# KiCad board A64-OlinuXino_Rev_G.kicad_pcb (continued)
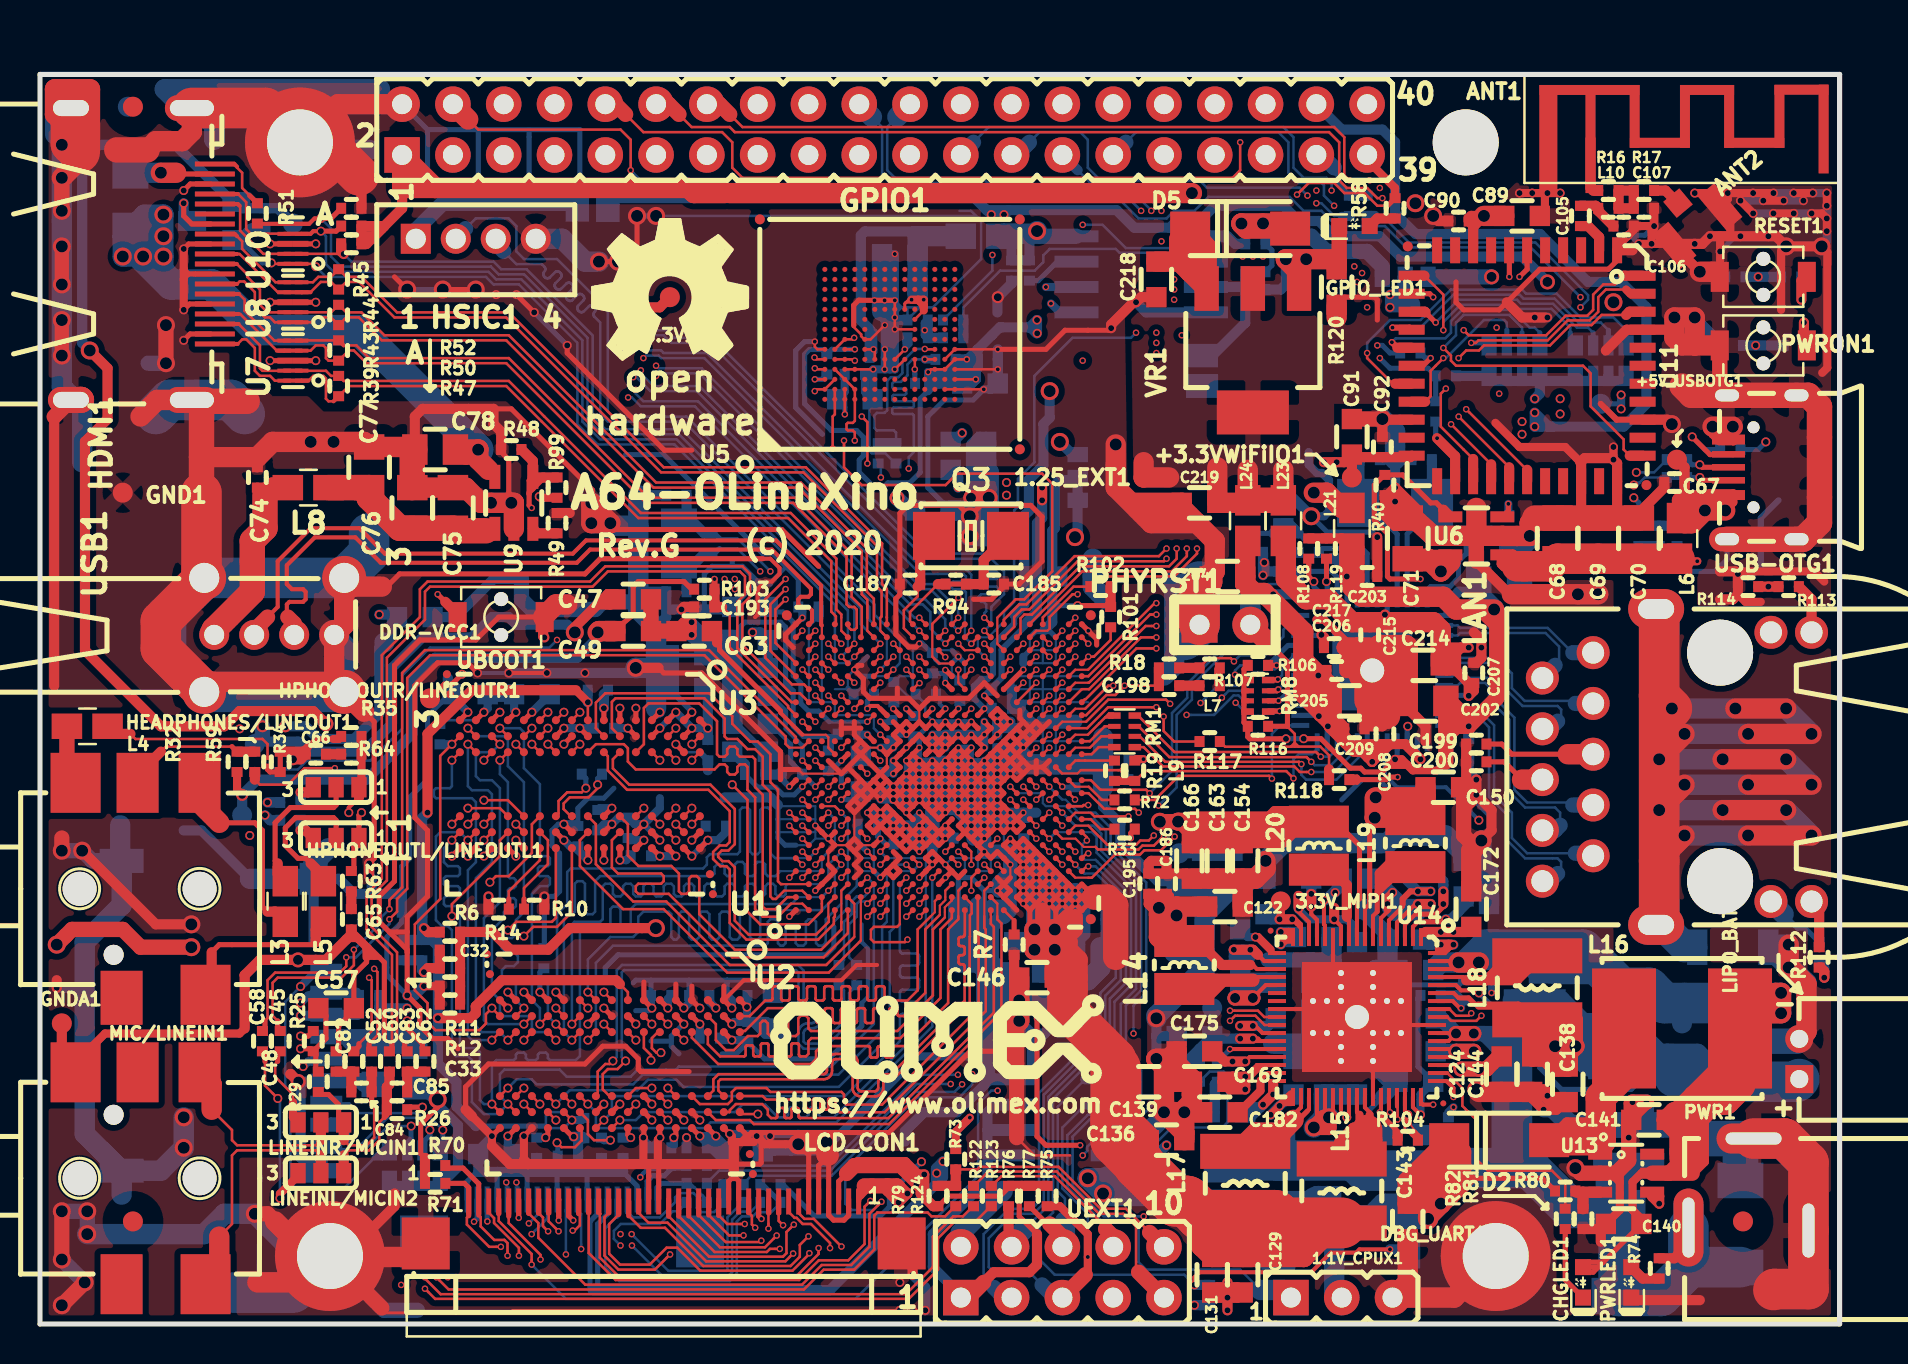
[diagram p0: board, top side]
## Routing (per net, layer and track width the routed paths; a pad name or vN(x,y) marks a point on that pad's centre or on a via; arc(x,y) is an arc through that point) (continued)
  In3.Cu w0.127: U3.B9 31.4,23.8 ; U3.B9 U3.B1 ; U3.B9 v3(32.6,23.4) ; 31.4,23.8 31.4,22.8 ; 31.4,23.8 31.4,24.6 ; 33.5,24.6 33.5,24.3 v3(33.4,24.2) ; 33.5,24.6 33.5,25.4 31.4,25.4 ; 33.5,24.6 31.4,24.6 ; U3.B1 v3(32.6,30.6) 33,30.2 33,29.4 ; U3.B1 31.4,30.2 ; 31.4,30.2 v3(31,30.6) ; 31.4,30.2 31.4,24.6 ; 33,29.4 30.6,29.4 ; 33,29.4 33,28.6 30.5,28.6 ; 25,28.6 25.8,28.6 v3(26.2,29) ; 25,28.6 24.2,28.6 ; 25,28.6 25,30.2 ; U3.J2 29,29.4 v3(29.4,29.8) ; U3.J2 25.8,29.4 ; U3.J2 26.6,30.9 ; 25,30.2 27.6,30.2 v3(28.2,30.8) ; 25,30.2 23.4,30.2 ; 21,29.4 20.2,29.4 ; 21,29.4 25.8,29.4 ; 21,29.4 21,28.5 ; U3.P1 20.3,30.2 ; U3.P1 23.4,30.2 ; U3.P1 22.6,27.6 ; 23.4,28.6 20,28.6 ; 23.4,28.6 24.2,28.6 ; 23.4,28.6 23.4,30.2 ; 24.2,28.6 24.2,31 ; 25.8,29.4 25.8,30.9
  In3.Cu w0.254: 57.1,10.59 59.89,10.59 60.53,9.96 61.92,9.96 63.45,11.48 65.35,11.48 65.99,10.85 65.99,9.7 ; 50.8,23.95 51.12,24.28
  In3.Cu w0.305: 35.89,8.94 35.53,8.58 23.42,8.58 v3(22.6,9.4)
  In3.Cu w0.508: v3(43.64,2.46) 45.03,3.86 UEXT1.2 ; v2(48.97,15.16) 45.8,15.16 39.74,9.1 v2(39.34,9.1) ; v3(61.16,37.45) 58.69,34.98 PHYRST1.1
  In3.Cu w0.711: 40.4,27.53 36.18,27.53 ; 36.82,29.47 40.07,29.47 40.4,29.8 ; v6(42.68,26.88) 41.05,26.88
  In3.Cu w0.762: 41.05,26.88 40.4,27.53 ; v2(39.34,9.1) 39.23,8.99 v2(37.92,8.99) 35.91,8.99 35.86,8.94 ; v2(10.74,5.51) 11.51,5.51 11.76,5.26
  In3.Cu w1.016: 11.76,5.26 13.67,3.35 14.55,3.35 14.55,4.62 13.41,5.77 ; USB1.4 16.46,34.47
  In3.Cu w1.524: 87.04,9.28 88.75,7.58 88.75,3.33 87.88,2.46
  In3.Cu w2.032: 2.05,56.45 2.05,60.52 1.75,60.82 7.85,60.82 ; 10.5,45.4 9.68,46.22 1.75,46.22 ; 81.35,8.67 84.44,8.67 85.04,9.28 ; 5.28,31.04 5.86,31.62 USB1.0 USB1.0 17.42,31.62 17.73,31.93 ; 6.81,38.15 7.64,37.32 USB1.0 USB1.0 15.63,37.32 16.71,38.41 ; 13.16,58.98 15.19,61.01 GPIO1.2 ; 13.16,58.98 13.03,58.85 9.56,58.85 HDMI1.0 ; 13.16,58.98 15.7,56.44 ; 13.16,58.98 13.16,57.71 11.12,55.68 ; 67.77,15.35 67.77,17.7 ; 67.77,15.35 67.77,12.62 ; 67.77,15.35 U14.69 65.86,12.74 65.86,12.74 ; PHYRST1.1 57.99,33.33
  In4.Cu w0.107: 50.15,24.6 49.18,24.6 49.18,25.25 ; 50.15,24.6 53.4,24.6 ; 50.15,24.6 50.15,23.95 50.8,23.95 ; 49.18,25.25 49.5,25.25 ; 49.18,25.25 v4(49.18,25.58) ; 49.5,25.25 53.07,25.25 ; 49.5,25.25 49.5,25.9 ; 49.5,26.55 50.15,26.55 ; 49.5,26.55 49.5,25.9 ; 49.5,26.55 48.85,26.55 ; 50.15,26.55 50.8,26.55 ; 50.15,26.55 50.15,25.9 ; 49.5,25.9 50.15,25.9 ; 48.85,26.55 48.85,27.2 v4(48.53,27.53) ; 48.85,26.55 48.2,26.55 ; 48.85,26.55 48.85,25.9 ; 50.8,23.95 50.8,23.3 51.45,23.3 ; 50.8,23.95 50.8,26.55 ; 50.8,23.95 52.11,23.95 52.2,23.86 53.31,23.86 53.4,23.95 ; 51.45,23.3 52.19,23.3 52.27,23.22 52.99,23.22 53.07,23.3 ; 51.45,23.3 51.45,26.06 51.44,26.07 51.44,26.54 51.45,26.55 ; 51.45,23.3 51.45,22.65 52.1,22.65 ; 52.1,22.65 52.1,23.96 52.03,24.03 52.03,24.36 52.1,24.42 52.1,26.55 52.1,26.55 ; 52.1,22.65 52.18,22.57 52.67,22.57 52.75,22.65 ; 50.8,26.55 51.45,26.55 ; 51.45,26.55 51.46,26.56 52.09,26.56 52.1,26.55 ; 52.1,26.55 52.43,26.55 ; 50.15,25.9 52.08,25.9
  In4.Cu w0.254: v4(47.22,24.28) v6(47.22,24.92) ; v4(47.22,24.28) 47.55,24.6 ; v4(47.22,24.28) v4(47.22,23.62) ; v6(45.28,26.22) v4(45.28,25.58) v4(45.93,25.58)
  In4.Cu w0.406: v4(43.32,25.58) v6(43.32,26.22)
  In4.Cu w0.508: v4(47.22,24.28) v6(46.57,24.92)
  Bottom w0.107: 40.4,31.79 40.4,32.4 ; C109.2 42.41,32.4 41.7,32.4 ; C109.2 42.71,32.11 43,32.4 43.65,32.4 43.65,33.7 ; C109.2 42.7,32.1 43.51,31.29 43.59,31.29 C79.1 ; 46.25,23.3 U1.R5 ; 46.25,23.3 45.6,23.3 v4(45.28,22.97) ; 46.25,23.3 46.25,22.33 ; U1.R5 v4(47.22,23.62) ; U1.R5 46.9,22.65 ; 47.55,23.3 47.55,22.65 46.9,22.65 ; 45.6,33.7 44.77,33.7 C73.1 ; 38.78,24.28 38.45,23.95 37.8,23.95 ; 38.78,24.28 38.78,24.6 ; 38.78,24.28 v4(39.43,24.28) ; 38.78,24.6 v4(38.78,24.92) 38.78,25.25 ; 38.78,24.6 38.45,24.6 36.91,24.6 ; 36.91,24.6 36.82,24.6 36.91,24.6 ; 38.78,25.25 38.78,25.9 38.45,25.9 36.91,25.9 ; 38.78,25.25 36.91,25.25 ; 36.91,25.25 36.82,25.25 36.91,25.25 ; 52.1,31.75 48.66,31.75 C110.1 ; 49.5,32.4 50.15,32.4 ; 49.5,32.4 49.5,31.1 52.43,31.1 ; 49.5,32.4 48.85,32.4 ; 50.15,32.4 50.8,32.4 ; 50.15,32.4 50.15,28.28 49.86,27.99 ; 50.8,32.4 52.43,32.4 ; 50.8,32.4 50.8,27.99 ; 50.8,27.99 50.8,27.85 50.8,27.99 ; 52.43,29.15 49.63,29.15 49.5,29.28 ; 48.53,23.62 48.2,23.62 U1.U7 v4(48.53,24.92) ; 41.05,23.3 41.57,23.3 41.7,23.17 41.7,22.65 ; 39.75,31.75 40.4,31.75 40.42,31.77 ; 41.7,22.65 U1.G6 v4(42.03,24.28) ; 41.7,22.65 41.05,22.65 ; 46.9,22.65 46.57,22.33 ; 46.25,33.05 46.25,32.45 45.99,32.18 45.6,32.57 45.6,33.05 45.58,33.03 44.97,33.03 44.95,33.05
  Bottom w0.127: v3(86.44,54.41) v3(85.04,54.41) ; 41.1,32.4 41.1,31.85 40.75,31.5 C189.1 ; 33,28.6 U3.B3 v3(31.8,29) ; 39.7,19.86 39.7,20.12 40.33,20.75 40.33,21.39 40.84,21.89 40.84,22.44 41.05,22.65 ; 42.75,50.34 42.75,50.5 43.1,50.85 ; C38.1 41.48,46.09 41.48,43.67 41.6,43.55 42.28,43.55 42.79,43.04 C94.2 ; 45.99,55.68 46.56,55.68 46.81,55.42 ; 43.38,50.85 43.13,50.85 ; 43.38,50.85 43.38,50.22 43.38,50.24 43.99,50.85 ; 43.38,50.85 43.99,50.85 ; 43.13,50.85 43.1,50.85 ; 43.13,50.85 42.75,50.85 42.75,50.85 ; 67.89,16.94 70.43,16.94 ; 44.65,30.15 44.27,30.53 44.27,31.02 C79.1 43.79,31.52 ; 43.65,33.7 43.65,33.7 v4(43.97,34.03) ; 43.99,50.85 44.65,50.85 47.07,53.26 47.07,55.17 46.81,55.42 ; 46.81,55.42 v2(30.81,55.42) ; 43.1,50.85 v4(42.75,51.2) ; 85.67,56.19 v3(85.67,56.57) ; 40.4,32.4 v4(40.72,32.72) ; 43.76,31.48 43.65,31.6 43.65,32.4
  Bottom w0.203: v3(23.44,32.56) v3(21.89,32.56) ; 44.95,33.05 44.78,33.22 44.78,33.4 C73.1 ; 36.53,37.01 36.53,37.08 37.29,37.85 37.29,37.9 ; 41.1,16.05 41.4,16.36 41.4,18.8 41.1,19.1 41.1,19.99
  Bottom w0.254: 66.5,10.34 66.5,10.72 67.13,11.35 ; 66.5,10.34 C152.2 ; 66.5,10.34 66.12,9.96 ; v4(46.57,30.12) v4(45.93,30.12) v4(45.28,30.12) v4(44.62,30.12) 44.65,30.15 43.89,29.39 C197.2 43.97,29.12 v4(43.97,28.83) v4(43.97,28.17) v6(43.97,27.53) ; v4(46.57,28.17) v4(46.57,28.83) ; v4(46.57,28.17) v4(47.22,28.17) v6(47.22,27.53) ; v4(46.57,28.17) v4(45.93,28.17) ; v4(46.57,28.17) v6(46.57,27.53) ; v6(47.88,26.88) v6(47.22,26.88) ; v6(47.88,26.88) v6(47.88,26.22) ; v6(47.88,26.88) v6(47.88,27.53) ; v6(47.22,26.88) v6(47.22,27.53) ; v6(47.22,26.88) v6(46.57,26.88) ; v6(47.22,26.88) v6(47.22,26.22) ; v4(43.32,27.53) v6(43.97,27.53) ; v4(43.32,27.53) v4(43.32,28.17) ; v4(43.32,27.53) v6(43.32,26.88) ; v6(43.97,27.53) v6(44.62,27.53) ; v6(43.97,27.53) v6(43.97,26.88) ; v6(44.62,27.53) v6(45.28,27.53) ; v6(44.62,27.53) v6(44.62,26.88) ; v6(44.62,27.53) v4(44.62,28.17) ; v6(45.28,27.53) v6(45.93,27.53) ; v6(45.28,27.53) v4(45.28,28.17) ; v6(45.28,27.53) v6(45.28,26.88) ; v6(45.93,27.53) v6(46.57,27.53) ; v6(45.93,27.53) v6(45.93,26.88) ; v6(45.93,27.53) v4(45.93,28.17) ; v6(46.57,27.53) v6(47.22,27.53) ; v6(46.57,27.53) v6(46.57,26.88) ; v6(47.22,27.53) v6(47.88,27.53) ; v6(47.88,27.53) v4(47.88,28.17) 48.53,28.17 v4(48.53,27.53) v6(47.88,27.53) ; v6(43.32,26.88) v6(42.68,26.88) 42.48,26.88 C155.1 42.03,26.42 v4(42.03,26.22) ; v6(43.32,26.88) v6(43.97,26.88) ; v6(43.32,26.88) v6(43.32,26.22) ; v6(43.97,26.88) v6(44.62,26.88) ; v6(43.97,26.88) v6(43.97,26.22) ; v6(44.62,26.88) v6(45.28,26.88) ; v6(44.62,26.88) v6(44.62,26.22) ; v6(45.28,26.88) v6(45.93,26.88) ; v6(45.28,26.88) v6(45.28,26.22) ; v6(45.93,26.88) v6(46.57,26.88) ; v6(45.93,26.88) v6(45.93,26.22) ; v6(46.57,26.88) v6(46.57,26.22) ; v6(47.22,26.22) v6(47.88,26.22) ; v6(47.22,26.22) v6(46.57,26.22) ; v6(47.22,26.22) v6(47.22,25.58) v6(46.57,25.58) ; v6(47.88,26.22) v6(47.88,25.58) ; v6(46.57,26.22) v6(45.93,26.22) ; v6(46.57,26.22) v6(46.57,25.58) ; v6(45.93,26.22) v6(45.28,26.22) ; v6(45.93,26.22) v4(45.93,25.58) ; v6(45.28,26.22) v6(44.62,26.22) ; v6(45.28,26.22) v4(45.28,25.58) v4(45.93,25.58) ; v6(44.62,26.22) v6(43.97,26.22) ; v6(43.97,26.22) v6(43.32,26.22) ; v6(43.32,26.22) v4(43.32,25.58) ; v6(47.88,25.58) v4(48.53,25.58) v4(48.53,24.92) 48.18,24.92 ; v6(47.88,25.58) 47.88,25.23 47.9,25.21 ; v6(46.57,25.58) v6(46.57,24.92) v6(47.22,24.92) 47.62,24.92 47.9,25.21 ; v6(46.57,25.58) v4(45.93,25.58) ; 48.18,24.92 v6(47.88,24.92) ; 48.18,24.92 47.9,25.21 ; 49.18,25.58 v4(49.18,25.58) 49.2,25.55 C132.1 ; 45.93,22.33 46.57,22.33 47.22,21.67 ; 45.93,22.33 v4(45.28,22.97) ; 45.93,22.33 45.93,21.03 47.22,21.03 47.22,21.67 ; 47.22,21.67 47.96,21.67 v4(47.88,21.67) ; v3(84.02,53.65) 84.78,54.41 v3(85.04,54.41) ; U15.49 65.87,31.94 U15.29 ; 70.56,39.29 71.07,39.8 72.59,39.8 R115.2 ; 45.6,33.7 v4(45.93,33.38) ; v4(45.93,33.38) 46.25,33.05 ; v4(45.93,33.38) 45.6,33.05 ; 41.7,32.4 41.05,32.4 v4(40.72,32.72) 41.38,33.38 ; R96.2 37.92,37.26 36.65,38.53 36.14,38.53 31.19,43.48 29.29,43.48 ; 36.91,25.9 36.91,25.96 36.91,24.31 37.26,23.95 37.8,23.95 ; 34.62,37.9 35.13,37.9 35.89,37.13 ; 34.62,37.9 34.62,38.15 ; 34.62,37.9 33.6,37.9 33.22,37.52 33.22,35.74 ; v2(20.14,51.74) v2(18.36,51.74) ; v2(72.09,24.18) 72.47,24.56 72.47,25.45 71.83,26.09 v3(71.83,26.47) ; 48.85,32.4 48.61,32.16 C110.1 ; 49.18,31.1 49.5,31.1 ; 49.18,31.1 48.61,31.1 ; 49.18,31.1 49.18,30.53 ; C29.2 42.3,24 v4(42.03,24.28) ; 30.56,17.2 32.46,17.2 ; 30.56,17.2 29.79,17.2 29.67,17.07 ; 30.56,17.2 C4.2 ; 32.46,17.2 34.37,17.2 ; 32.46,17.2 C3.2 ; 34.11,13.51 34.82,13.51 C1.2 36.23,13.26 39.45,13.26 41.1,14.91 41.1,16.05 ; 31.57,14.15 31.57,14.4 32.21,15.04 ; 31.57,14.15 31.57,13.89 31.95,13.51 ; 31.57,14.15 30.56,14.15 ; 34.37,17.2 34.37,17.07 34.37,17.2 ; 34.37,17.2 36.02,17.2 C27.2 ; 34.37,17.2 C2.2 ; 29.79,15.67 30.43,15.67 30.56,15.8 ; 40.4,31.79 C189.1 ; 19.38,30.4 19.38,27.23 18.49,26.34 18.49,23.29 18.09,22.89 C23.2 ; 19.38,30.4 20.48,31.5 C26.2 ; 19.38,30.4 19.38,30.4 ; 81.48,38.02 81.86,37.64 83.77,37.64 84.37,38.25 USB-OTG1.0 ; 28.7,26.8 28.2,26.3 27.4,26.3 26.9,25.8 C31.2 ; v1(46.56,41.33) v2(47.45,41.33) ; 65.1,26.21 66.12,27.23 66.94,27.23 68.15,26.02 C179.1 ; 21.92,59.74 24.46,59.74 ; 21.92,59.74 19.38,59.74 ; 21.92,59.74 21.92,57.33 ; 24.46,59.74 27,59.74 27,57.33 ; 24.46,59.74 24.46,56.95 21.92,56.95 ; 27.38,7.61 27.36,7.59 MIPI-DSI1.13 ; v3(18.36,16.43) 17.35,17.45 17.35,19.36 18.09,20.1 R8.1 ; 35.89,37.13 36.02,37.01 36.53,37.01 ; 35.89,37.13 C192.1 ; v3(30.18,9.32) 30.56,8.94 C14.2 30.56,8.88 v3(31,9.32) ; v2(30.81,55.42) v2(29.86,55.42) ; 19.38,59.74 19.38,56.82 ; 19.38,59.74 GPIO1.2 ; v3(80.59,54.03) v3(82.75,54.03) ; 28.27,17.2 28.27,17.83 28.91,18.47 39.32,18.47 39.7,18.85 39.7,19.86 ; v4(45.93,28.17) v4(45.93,28.83) ; v3(66.88,39.36) 66.62,39.61 64.37,39.61 v2(63.58,40.4) ; 71.01,17.01 70.96,16.96 68.17,16.96 67.89,16.69 ; v3(32.6,30.6) 32.6,30.65 ; v3(79.96,54.03) 79.53,54.45 v3(79.43,54.45) 80.26,54.45 v3(80.72,54.91) ; 25.86,7.61 25.86,7.6 MIPI-DSI1.10 ; v4(43.97,34.03) 44.01,34.06 44.1,34.06 44.6,33.56 C73.1 ; C8.2 25.22,18.83 v3(25.22,21.39) 25.73,21.39 25.98,21.64 25.98,23.55 25.6,23.93 25.6,24.69 25.91,25 v3(26.2,25) ; v3(24.71,50.6) v3(26.36,48.95) ; v4(47.2,46.75) 46.67,46.22 45.22,46.22 44.4,45.39 44.4,41.83 C116.1 ; MIPI-DSI1.7 24.36,7.58 24.33,7.61 ; v4(38.75,49.14) 38.24,49.14 37.79,48.69 37.79,45.83 39.13,44.5 ; MIPI-DSI1.4 22.86,7.6 22.87,7.61 ; MIPI-DSI1.1 21.36,7.13 21.83,7.61 21.92,7.61 ; 29.16,7.61 29.86,6.91 MIPI-DSI1.18 ; v4(42.03,22.33) 41.7,22.65 ; v4(42.75,51.2) 42.11,51.2 ; v2(29.86,53.14) v2(28.91,53.14)
  Bottom w0.305: v4(42.68,28.83) 42.68,29.12 C117.1 42.88,29.47 v4(43.32,29.47) 43.62,29.47 C197.2 ; v4(45.93,28.83) v4(46.57,28.83) ; v4(43.32,28.17) v4(43.97,28.17) v4(44.62,28.17) v4(45.28,28.17) v4(45.93,28.17) ; C22.1 41.91,24.39 v4(42.03,24.28) ; C15.2 33.4,28.2 33,28.6 ; 32.6,30.65 C21.2 ; 86.94,41.2 86.06,40.31 86.06,37.9 85.67,37.52 v3(84.91,37.52) ; v3(31,24.2) v3(30.2,25) ; v3(33.4,24.2) v3(32.6,23.4)
  Bottom w0.406: v4(47.88,28.17) v4(47.22,28.17) ; v3(30.6,15.8) 30.56,15.84 30.56,15.8 C4.2 ; v3(32.2,15.8) 32.46,16.06 C3.2 ; v3(34.6,15.8) 34.6,16.2 C2.2 ; v3(22.6,9.4) 21.91,8.71 C16.2 ; v3(29,23.2) 29.32,23.2 C19.2 ; C30.2 34.31,24.61 33.9,24.2 v3(33.4,24.2) ; v3(26.2,25) 26.81,25 C31.2 ; C10.2 25.49,31.49 v3(24.6,30.6) ; C26.2 20.61,31.39 v3(21.4,30.6) ; R96.2 38.12,35.66 v4(38.12,35.33) ; 78.69,43.74 v3(78.69,43.23) ; 31,26.3 31,25.8 v3(30.2,25) 29.74,25 C9.2 28.92,25.32 v3(28.6,25) 28.21,25 C28.2 ; 66.24,9.83 66.62,9.45 C152.2 ; v4(47.2,46.75) 47.6,46.75 C36.1 ; 47.45,13.39 43.89,13.39 40.01,9.51 ; v2(63.58,40.4) 64.21,40.4 64.47,40.65 64.47,42.22 64.11,42.57 63.86,42.57 63.45,42.98 63.45,43.61 ; v3(85.04,56.19) v3(86.18,56.19) ; 42.75,50.25 42.5,50.25 ; 42.75,50.25 v4(42.75,49.75) 42.75,48.3 ; 42.75,50.25 v4(42.75,51.2) 42.75,53.5 42.75,53.5 C42.2 ; 42.5,50.25 42.3,50.25 42.25,50.2 ; 42.5,50.25 42.5,47.75 ; v3(85.67,55.55) v3(86.69,55.55) ; 37.55,8.62 v2(37.92,8.99) 37.92,9.51 ; 37.55,8.62 36.72,8.62 ; 37.55,8.62 39.13,8.62 40.01,9.51 ; v4(41.67,47.75) 41.67,46.28 C38.1 41.26,46.63 C37.1 41.42,47.5 v4(41.67,47.75) ; v4(41.67,47.75) 42.25,47.75 ; v4(42.03,26.22) v6(42.68,26.22) v6(43.32,26.22) ; 42.11,50.66 42.11,50.34 42.25,50.2 ; 37.92,9.51 40.01,9.51 ; 37.92,9.51 v3(34.49,9.51) ; v3(36.51,9.4) v3(35.84,9.4) 35.84,8.93 C5.2 ; v3(36.51,9.4) 36.51,9.01 ; v3(36.51,9.4) 36.51,8.83 36.72,8.62 ; v3(89.36,55.93) v3(89.36,55.3) ; 42.25,47.75 42.25,48.35 ; 42.25,47.75 42.5,47.75 ; v3(89.36,56.57) v3(88.66,56.57) ; 36.72,8.62 36.21,8.62 ; v3(87.71,55.55) v3(88.59,55.55) ; 42.75,48.3 42.56,48.3 C44.2 42.25,48.35 ; 42.75,48.3 42.75,47.75 ; 42.25,48.35 v4(42.25,48.75) 42.25,50.2 ; 42.75,47.75 v4(42.75,47.75) ; 42.75,47.75 42.5,47.75 ; C1.2 35.29,14.2 v3(34.6,14.2) 34.11,14.2 C12.2 ; v3(89.36,54.66) 89.36,54.15 v2(89.1,53.9) ; v3(87.2,56.19) v3(88.19,56.19) ; v3(86.69,56.57) v3(87.71,56.57) ; v3(32.33,9.32) C13.2 ; C20.2 v3(29.4,29.8) ; v4(42.68,28.83) v4(42.03,28.83) ; 44.82,28.17 v4(44.62,28.17) C158.1 44.82,28.17
  Bottom w0.508: 55.83,14.4 55.96,14.4 55.83,14.4 ; 55.83,14.4 v2(55.83,13.26) ; 55.83,14.4 C173.2 ; 55.83,14.4 v2(55.83,15.29) ; 77.16,36.75 v2(76.91,36.5) ; v4(48.53,25.58) v4(49.18,25.58) 49.82,25.58 ; v6(47.88,25.58) v6(47.22,25.58) v6(47.22,24.92) v4(47.22,24.28) ; 53.03,18.85 53.29,19.1 53.29,21.13 ; v3(28.2,30.8) 28.2,31.49 C25.2 ; 34.24,26.34 36.53,26.34 36.91,25.96 ; v2(29.79,32.82) 29.54,32.56 v3(27.25,32.56) v3(25.35,32.56) v3(23.44,32.56) ; v2(74.5,39.42) 74.5,40.43 R41.1 ; 47.9,28.5 47.9,28.2 v4(47.88,28.17) ; 47.9,28.5 C80.2 C115.1 ; 47.9,28.5 49.35,28.5 49.86,27.99 ; 45.02,28.17 v4(45.28,28.17) ; 50.15,30.12 49.86,29.84 49.61,30.09 ; C110.1 C34.1 48.9,30.8 49.61,30.09 ; 49.61,30.09 49.61,29.39 49.18,28.96 v4(49.18,28.83) ; 44.62,23.95 44.62,23.62 ; 47.7,20 47.7,18.21 C148.1 ; 10.5,22.27 8.08,24.69 7.19,24.69 ; 16.59,21.51 18.08,21.51 C23.2 R8.1 ; 16.59,21.51 15.7,21.51 14.95,22.27 13.68,22.27 13.68,19.08 ; 16.59,21.51 16.59,22.28 v3(16.46,22.4) v3(16.46,23.04) ; 29.92,36.12 29.79,35.99 ; v3(79.45,9.32) 79.45,9.96 ; 79.45,9.96 79.45,9.7 79.45,9.96 ; 20.4,32.31 20.4,31.72 C26.2 ; 50.24,14.53 51,15.29 ; 50.24,14.53 49.61,13.89 49.61,13.77 ; 50.24,14.53 49.61,14.53 ; 51,15.29 51.76,16.05 C137.1 51.38,17.2 50.37,16.18 50.11,16.18 ; 51,15.29 50.11,16.18 ; 61.16,38.6 61.16,37.77 61.29,37.64 ; C39.2 55.45,9.96 56.08,10.59 55.19,9.7 U4.7 55.32,9.7 C39.2 ; C39.2 55.7,9.58 56.34,10.21 56.34,10.59 ; 24.08,37.26 22.68,37.26 20.78,35.36 C190.1 ; v3(61.16,37.45) 61.16,38.02 v3(61.23,38.09) 61.23,37.71 61.29,37.64 ; C15.2 33.4,27.7 ; v3(54.81,51.1) 55.32,50.6 U12.4 ; 61.29,37.64 C210.1 ; 49.61,14.53 v2(48.97,15.16) 48.65,14.84 U4.4 ; 49.61,14.53 49.61,13.77 ; v5(47.9,51.36) 48.59,52.05 C81.1 ; 47.88,51.35 47.88,50.6 ; 14.31,12.17 14.27,12.13 v1(12.92,12.13) 13.03,12.01 13.03,8.32 13.68,7.67 ; C216.1 71.45,27.61 v3(71.83,27.23) v3(71.83,26.47) ; 67.77,43.23 v3(67.77,41.83) 67.77,41.2 ; 67.77,43.23 67,43.23 ; 67.77,43.23 C212.1 ; 56.59,22.15 55.89,22.15 54.03,24.01 54.03,25.02 53.16,25.88 53.16,26.85 ; R42.1 C72.1 ; C6.2 29.16,7.61 26.92,7.61 26.91,7.62 ; C16.2 21.92,8.49 21.92,7.61 24.84,7.61 ; 31.32,35.74 C184.2 29.92,36.63 ; 31.32,35.74 v3(32.08,35.74) 34.49,35.74 C192.1 ; 31.32,35.74 31.32,35.36 30.81,34.85 ; 43.26,9.13 43.26,9.64 44.21,10.59 45.86,10.59 47.51,12.24 ; v2(48.97,16.18) 50.11,16.18 ; v4(47.9,48.75) 47.9,48.26 C35.1 47.9,48.24 v4(47.9,47.75) 47.9,47.05 C36.1 ; 43.38,50.22 42.88,50.22 v4(42.75,50.34) ; v3(19.2,16.9) 18.73,16.43 v3(18.36,16.43) ; 49.61,13.77 49.61,12.24 U4.4 ; 26.91,7.62 26.9,7.61 24.84,7.61 ; 26.91,7.62 R13.2 26.91,9.23 26.97,9.29 C24.2 27.12,9.37 v3(26.69,9.37) ; v2(62.31,53.26) 62.31,52 62.05,51.74 R55.2 ; R9.2 28.08,7.61 ; 24.84,7.61 C7.2 ; R83.2 58.75,11.99 58.75,10.85 C151.2 ; 47.51,12.24 47.51,13.32 47.45,13.39 47.45,13 ; 47.51,12.24 U4.4 ; v2(63.58,40.4) 62.4,41.58 C211.1 ; v3(44.27,0.69) 44.27,1.83 v3(43.64,2.46) ; 2.23,16.81 v3(0.84,16.81) ; C183.2 29.92,41.45 ; v3(31,30.6) 30.81,30.79 ; v3(74.75,50.34) v3(75.39,50.34) ; C177.1 v2(82.75,50.34) ; v3(59.38,2.08) v3(59.38,0.69) ; C156.1 83.26,52.38 v2(83.01,52.63) ; U4.4 48.21,12.24 ; v6(46.57,24.92) v4(45.93,25.58)
  Bottom w0.711: 50.15,30.12 51.78,30.12 ; 44.62,25.58 44.95,25.58 45.28,25.9 ; 44.62,25.58 44.62,25.25 ; 44.62,25.58 v6(44.62,26.22) ; 44.62,25.25 44.62,24.92 ; 44.62,25.25 44.62,23.95 ; C123.1 47.96,22.06 47.96,21.67 ; C123.1 C134.1 48.49,20.88 ; C123.1 48.53,22.63 v4(48.53,22.97) 48.53,23.62 v4(47.22,23.62) v4(47.22,24.28) ; 48.49,20.88 48.49,20.65 48.21,20.37 48.07,20.37 46.94,19.24 C142.1 ; 48.49,20.88 47.57,20.88 ; v2(1.09,50.22) v2(1.09,51.99) ; v2(1.09,53.9) v2(1.09,55.68)
  Bottom w0.762: 68.02,14.51 U14.69 ; U14.69 68.02,14.6 ; U14.69 U14.69 ; C167.1 66.37,20.5 67.39,19.48 C170.1 ; 61.42,18.21 63.45,18.21 63.58,18.08 ; v2(46.5,40.4) 46.69,40.59 46.69,40.44 46.69,43.93 47,44.25 ; v6(46.57,24.92) 46.71,24.79 C18.2 ; U1.N12 U1.L12 v6(43.97,27.53) U1.L11 44.62,27.2 ; v2(6.3,48.06) 5.41,48.06 ; v2(1.09,57.33) v2(1.09,58.98) ; v2(1.09,3.23) v2(2.23,2.08) ; 24.08,37.26 24.08,36.25 24.59,35.74 27.76,35.74 28.14,36.12 29.92,36.12 ; v2(1.09,23.67) v2(2.11,23.67) 2.61,23.17 MICRO_SD1.13 ; C181.1 67.13,11.35 ; 47.83,15.16 48.08,15.16 ; v2(2.36,4.5) v2(2.36,5.64) v2(1.09,5.64) ; 80.47,9.96 80.34,10.08 v3(80.34,11.1) v3(79.64,11.1) ; 14.31,12.17 16.02,12.17 16.2,11.99 C64.2 ; 18.87,0.69 17.21,0.69 Mounting_hole2.0 ; v2(63.32,53.26) v2(62.31,53.26) ; 76.15,10.34 75.39,11.1 v3(75.39,11.42) ; 75.77,10.72 v3(75.2,10.72) ; 13.68,7.67 14.81,7.67
  Bottom w1.016: v2(48.97,16.18) v2(48.97,15.16) 47.83,15.16 ; v2(87.45,17.83) v2(87.45,18.97) 86.56,18.97 C196.1 v2(87.45,17.83) ; v2(87.45,17.83) 87.58,17.83 88.34,17.07 88.34,14.62 LIPO_BAT1.2 ; U14.69 66.56,13.26 C133.1 65.17,13.26 U14.69 ; U14.69 66.66,13.64 C128.2 ; U14.69 67.7,12.12 C181.1 67.89,13.51 C128.2 ; U14.69 U14.69 ; U14.69 64.96,13.26 C145.1 ; U14.69 U14.69 ; U14.69 67.89,16.69 C176.1 66.81,17.7 ; 66.81,17.7 U14.69 ; 66.81,17.7 67.39,17.7 C170.1 ; 66.81,17.7 U14.69 ; U14.69 66.09,17.55 C157.1 ; U14.69 64.59,17.32 64.59,17.96 ; 61.67,14.02 63.45,14.02 C145.1 ; U14.69 63.58,14.64 C171.2 63.58,16.07 U14.69 63.66,16.98 C126.1 63.58,18.08 64.59,18.08 64.47,17.96 64.59,17.96 ; 64.59,17.96 C161.1 ; C147.2 72.47,22.53 72.09,22.91 v2(72.09,24.18) 71.2,23.29 C174.1 71.2,23.55 70.31,24.44 C178.1 C179.1 67.77,24.44 67.39,24.05 C153.1 C165.1 C164.1 62.18,24.05 v2(61.29,23.17) C162.1 60.53,22.28 60.15,21.89 C168.1 ; MICRO_SD1.12 2.23,9.52 2.23,19.1 4.08,20.95 MICRO_SD1.13 4.01,23.24 4.01,24.94 ; MICRO_SD1.12 4.08,6.47 ; MICRO_SD1.12 5.98,7.67 ; v2(55.83,15.29) 55.83,15.42 C159.1 58.24,18.59 ; v2(74.5,39.42) 74.5,39.29 74.12,38.91 ; 74.12,38.91 R115.2 ; 74.12,38.91 74.12,37.27 C201.2 ; 29.81,32.8 v2(29.79,32.82) 30.94,32.82 ; 30.81,30.79 30.81,33.58 ; 30.81,33.58 30.81,33.45 R36.1 C21.2 ; 30.81,33.58 30.81,34.85 29.92,35.74 29.92,39.93 ; v2(22.56,41.07) v2(23.57,41.07) ; v2(67.13,45.26) 67.77,44.63 67.77,43.23 ; 47.39,39.4 v2(46.5,39.4) v2(46.5,40.4) 47.5,40.4 47.5,39.4 ; C116.1 46.43,40.69 46.69,40.44 ; 53.29,36.25 52.65,36.88 C194.1 52.65,38.28 ; 8.71,59.23 8.71,59.95 7.85,60.82 ; 2.11,43.1 2.11,45.86 1.09,46.87 v2(1.09,48.44) 1.09,60.16 1.75,60.82 ; 53.16,27.99 48.53,27.99 ; 46.94,18.08 47.45,17.58 C148.1 48.34,15.67 47.83,15.16 ; 46.94,18.08 C142.1 46.94,20.88 ; 46.94,18.08 45.92,18.08 45.92,20.88 ; 14.43,23.8 13.68,23.06 13.68,22.27 10.5,22.27 ; USB1.0 15.21,34.97 USB1.4 15.21,33.97 USB1.0 ; GPIO1.2 14.91,61.01 Mounting_hole3.0 13.38,58.73 16.46,58.73 ; DBG_UART1.3 70.72,1.32 Mounting_hole1.0 ; 47.45,40.45 v2(47.45,41.33) 47.45,42.6 C188.1 C120.1 ; 29.92,39.93 29.92,41.45 ; 29.92,39.93 28.65,39.93 v2(28.52,40.06) 27.64,40.06 27.64,41.07 ; 58.24,20.5 58.24,21.77 C160.1 ; 58.24,20.5 C125.1 58.24,18.59 ; 58.24,20.5 C168.1 ; 47.83,15.16 47.45,15.16 ; HDMI1.0 7.18,60.82 6.24,61.76 17,61.76 ; 53.16,26.85 53.16,29.32 ; C128.2 68.02,14.51 ; HDMI1.0 1.55,61.76 ; 1.55,61.76 0.76,61.76 0.76,59.51 ; 1.55,61.76 2.37,61.76 ; v2(7.19,10.34) v2(7.19,8.81) 6.04,7.67 5.98,7.67 ; 78.44,9.96 76.53,9.96 75.77,10.72 ; C137.1 52.4,17.2 53.03,17.83 53.03,18.85 ; C168.1 C160.1 ; C160.1 56.84,21.89 ; 5.98,7.67 5.98,7.67 ; UEXT1.2 46.05,4.56 48.15,6.66 ; v2(2.36,4.5) 8.2,4.5 9.22,5.51 v2(10.74,5.51) 12.86,3.4 Mounting_hole2.0 ; C42.2 C43.2 42.11,50.66 ; 58.24,18.59 56.72,18.59 ; 56.21,32.44 56.72,32.94 56.72,37.13 ; HSIC1.4 26.11,54.28 27.25,53.14 v2(27.95,53.14) ; C121.2 68.02,14.6 ; 56.34,10.59 C151.2 ; C145.1 C149.2 ; v2(76.91,36.5) v2(77.93,36.5)
  Bottom w1.27: 83.05,9.28 82.37,9.96 78.44,9.96 ; C180.1 87.87,14.15 LIPO_BAT1.2 ; 47.45,13.39 47.45,17.58
  Bottom w1.778: 87.04,9.28 88.49,7.83 88.49,4.95 ; 87.04,9.28 86.54,9.28 87.04,9.28 ; 87.04,9.28 85.54,9.28 ; 85.54,9.28 85.04,8.77 85.04,7.29 ; 85.54,9.28 83.05,9.28
  Bottom w2.032: U14.69 65.86,14.65 U14.69 ; U14.69 66.56,15.35 U14.69 ; U14.69 65.86,16.05 U14.69 ; U14.69 U14.69 U14.69 ; U14.69 65.16,15.35 U14.69 ; 10.24,45.52 9.53,46.22 6.49,46.22 5.79,45.52 ; 12.67,1.58 9.6,1.58 ; 16.46,39.55 16.46,38.56 USB1.0 USB1.0 6.3,35.41 6.3,33.53 USB1.0 USB1.0 ; Mounting_hole3.0 11.28,60.82 HDMI1.0 ; Mounting_hole2.0 12.8,1.7 ; 57.23,34.21 PHYRST1.1 57.99,37.13
  vias: v3(43,0.69) v3(43.64,0.69) v3(67.77,41.14) v4(42.24,51.2) v4(42.75,53.52)
